# KiCad board Registers.kicad_pcb
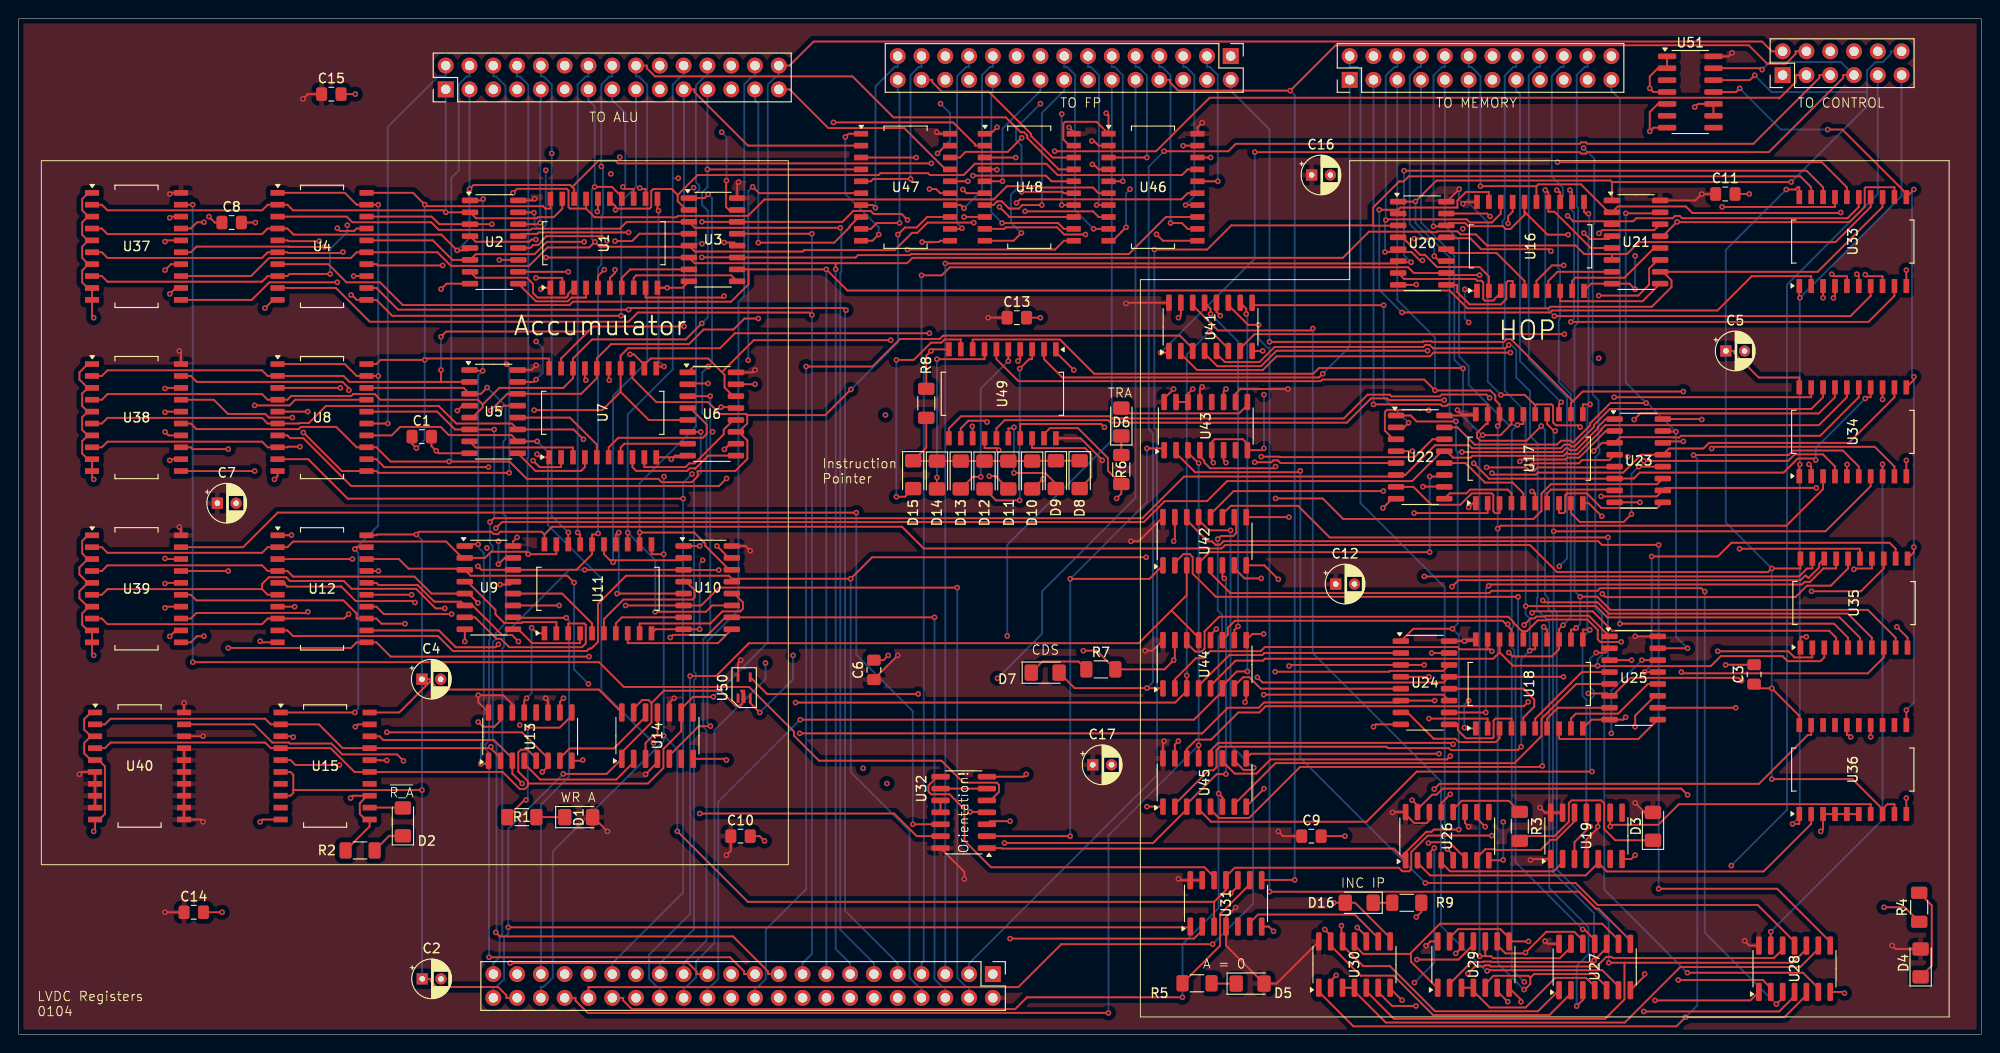
[diagram p0: board, top side]
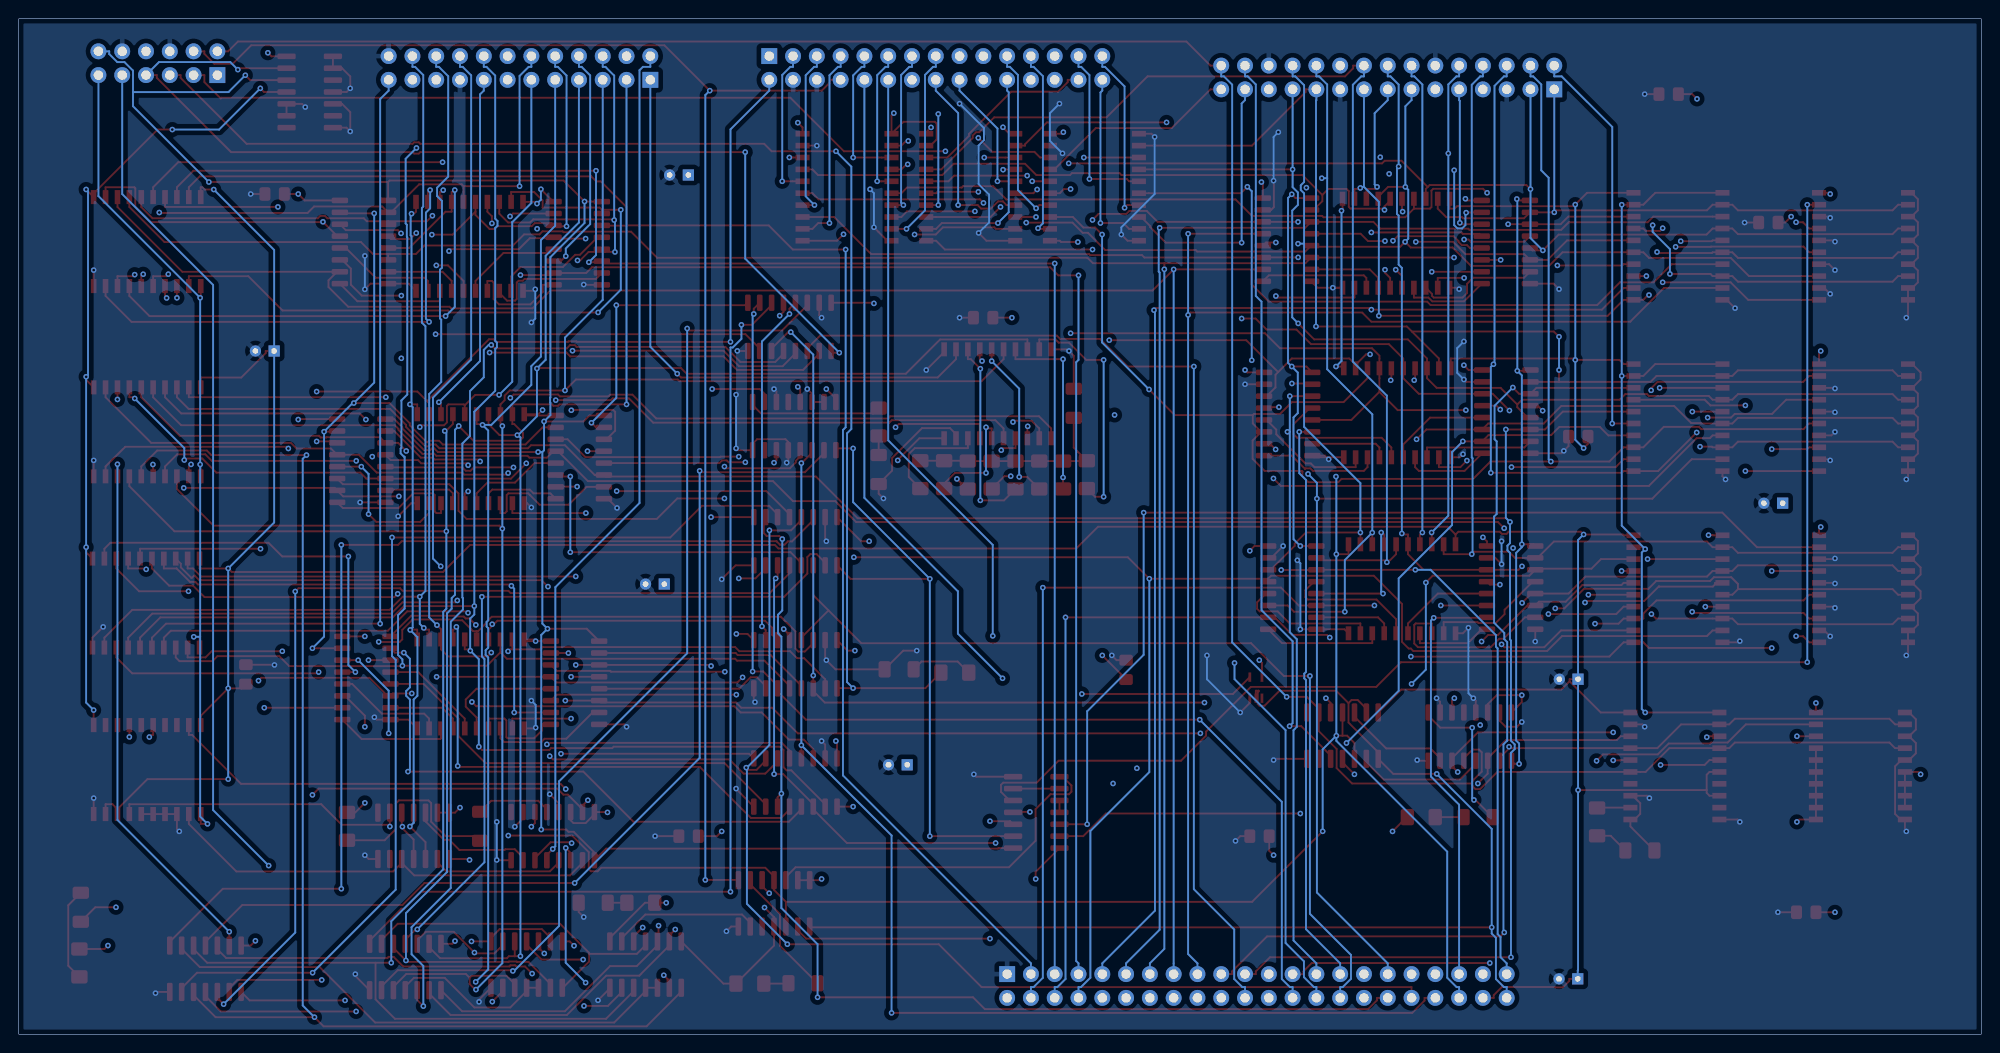
[diagram p1: board, bottom side, seen from below]

Outline 209.55 x 108.46 mm; copper layers: Top, In1.Cu, In2.Cu, Bottom. Coordinates in mm from the lower left corner of the outline.
Outline path: rectangle 0,108.46 209.55,0
Stack: Top 0.035mm / dielectric 0.1mm FR4 er 4.5 / In1.Cu 0.035mm / dielectric 1.24mm FR4 er 4.5 / In2.Cu 0.035mm / dielectric 0.1mm FR4 er 4.5 / Bottom 0.035mm

## Placement (name value [footprint] x y rotation side)
C1  100nF  [C_0805_2012Metric_Pad1.18x1.45mm_HandSolder]  43.03 63.83 0 top
C2  10µF  [CP_Radial_D4.0mm_P2.00mm]  43.09 5.92 0 top
C3  100nF  [C_0805_2012Metric_Pad1.18x1.45mm_HandSolder]  185.29 38.43 90 top
C4  10µF  [CP_Radial_D4.0mm_P2.00mm]  43.05 37.92 0 top
C5  10µF  [CP_Radial_D4.0mm_P2.00mm]  182.28 72.97 0 top
C6  100nF  [C_0805_2012Metric_Pad1.18x1.45mm_HandSolder]  91.31 38.92 90 top
C7  10µF  [CP_Radial_D4.0mm_P2.00mm]  21.21 56.72 0 top
C8  100nF  [C_0805_2012Metric_Pad1.18x1.45mm_HandSolder]  22.73 86.69 0 top
C9  100nF  [C_0805_2012Metric_Pad1.18x1.45mm_HandSolder]  138.03 21.16 0 top
C10  100nF  [C_0805_2012Metric_Pad1.18x1.45mm_HandSolder]  77.07 21.16 0 top
C11  100nF  [C_0805_2012Metric_Pad1.18x1.45mm_HandSolder]  182.22 89.74 0 top
C12  10µF  [CP_Radial_D4.0mm_P2.00mm]  140.62 48.08 0 top
C13  100nF  [C_0805_2012Metric_Pad1.18x1.45mm_HandSolder]  106.57 76.53 0 top
C14  100nF  [C_0805_2012Metric_Pad1.18x1.45mm_HandSolder]  18.69 13.03 0 top
C15  100nF  [C_0805_2012Metric_Pad1.18x1.45mm_HandSolder]  33.38 100.41 0 top
C16  10µF  [CP_Radial_D4.0mm_P2.00mm]  138.05 91.77 0 top
C17  10µF  [CP_Radial_D4.0mm_P2.00mm]  114.68 28.78 0 top
D1  LED  [LED_1206_3216Metric_Pad1.42x1.75mm_HandSolder]  59.79 23.19 0 top
D2  LED  [LED_1206_3216Metric_Pad1.42x1.75mm_HandSolder]  41.02 22.68 90 top
D3  LED  [LED_1206_3216Metric_Pad1.42x1.75mm_HandSolder]  174.5 22.21 90 top
D4  LED  [LED_1206_3216Metric_Pad1.42x1.75mm_HandSolder]  203.07 7.62 90 top
D5  LED  [LED_1206_3216Metric_Pad1.42x1.75mm_HandSolder]  131.48 5.41 0 top
D6  LED  [LED_1206_3216Metric_Pad1.42x1.75mm_HandSolder]  117.73 65.39 90 top
D7  LED  [LED_1206_3216Metric_Pad1.42x1.75mm_HandSolder]  109.6 38.62 0 top
D8  LED  [LED_1206_3216Metric_Pad1.42x1.75mm_HandSolder]  113.28 59.77 270 top
D9  LED  [LED_1206_3216Metric_Pad1.42x1.75mm_HandSolder]  110.74 59.77 270 top
D10  LED  [LED_1206_3216Metric_Pad1.42x1.75mm_HandSolder]  108.2 59.73 270 top
D11  LED  [LED_1206_3216Metric_Pad1.42x1.75mm_HandSolder]  105.66 59.73 270 top
D12  LED  [LED_1206_3216Metric_Pad1.42x1.75mm_HandSolder]  103.12 59.73 270 top
D13  LED  [LED_1206_3216Metric_Pad1.42x1.75mm_HandSolder]  100.58 59.73 270 top
D14  LED  [LED_1206_3216Metric_Pad1.42x1.75mm_HandSolder]  98.04 59.73 270 top
D15  LED  [LED_1206_3216Metric_Pad1.42x1.75mm_HandSolder]  95.5 59.77 270 top
D16  LED  [LED_1206_3216Metric_Pad1.42x1.75mm_HandSolder]  143.13 14.05 180 top
J1  TO_BACKPLANE  [PinHeader_2x22_P2.54mm_Vertical]  104.01 6.43 270 top
J2  ACCUMULATOR_OUT  [PinHeader_2x15_P2.54mm_Vertical]  45.59 100.91 90 top
J3  FROM_CTRL  [PinHeader_2x06_P2.54mm_Vertical]  188.34 102.44 90 top
J4  TO_MEMORY  [PinHeader_2x12_P2.54mm_Vertical]  142.11 101.93 90 top
J5  TO_FP  [PinHeader_2x15_P2.54mm_Vertical]  129.41 104.47 270 top
R1  1K  [R_1206_3216Metric_Pad1.30x1.75mm_HandSolder]  53.72 23.19 0 top
R2  1K  [R_1206_3216Metric_Pad1.30x1.75mm_HandSolder]  36.45 19.63 0 top
R3  1K  [R_1206_3216Metric_Pad1.30x1.75mm_HandSolder]  160.27 22.21 270 top
R4  1K  [R_1206_3216Metric_Pad1.30x1.75mm_HandSolder]  202.92 13.56 90 top
R5  1K  [R_1206_3216Metric_Pad1.30x1.75mm_HandSolder]  125.81 5.45 0 top
R6  1K  [R_1206_3216Metric_Pad1.30x1.75mm_HandSolder]  117.73 60.31 90 top
R7  4.7K  [R_1206_3216Metric_Pad1.30x1.75mm_HandSolder]  115.54 38.97 0 top
R8  1K  [R_1206_3216Metric_Pad1.30x1.75mm_HandSolder]  96.9 67.39 270 top
R9  4.7K  [R_1206_3216Metric_Pad1.30x1.75mm_HandSolder]  148.21 14.05 180 top
U1  74HC574  [SO-20_12.8x7.5mm_P1.27mm]  62.48 84.48 90 top
U2  74HCT157  [SO-16_3.9x9.9mm_P1.27mm]  50.76 84.61 0 top
U3  74HCT157  [SO-16_3.9x9.9mm_P1.27mm]  74.13 84.86 0 top
U4  74HC244  [SO-20_12.8x7.5mm_P1.27mm]  32.38 84.15 0 top
U5  74HCT157  [SO-16_3.9x9.9mm_P1.27mm]  50.71 66.5 0 top
U6  74HCT157  [SO-16_3.9x9.9mm_P1.27mm]  74.01 66.24 0 top
U7  74HC574  [SO-20_12.8x7.5mm_P1.27mm]  62.36 66.37 90 top
U8  74HC244  [SO-20_12.8x7.5mm_P1.27mm]  32.38 65.86 0 top
U9  74HCT157  [SO-16_3.9x9.9mm_P1.27mm]  50.2 47.7 0 top
U10  74HCT157  [SO-16_3.9x9.9mm_P1.27mm]  73.57 47.7 0 top
U11  74HC574  [SO-20_12.8x7.5mm_P1.27mm]  61.85 47.57 90 top
U12  74HC244  [SO-20_12.8x7.5mm_P1.27mm]  32.38 47.57 0 top
U13  74HCT157  [SO-16_3.9x9.9mm_P1.27mm]  54.61 31.79 90 top
U14  74HC74  [SO-14_3.9x8.65mm_P1.27mm]  68.2 31.89 90 top
U15  74HC244  [SO-20_12.8x7.5mm_P1.27mm]  32.71 28.65 0 top
U16  74HC574  [SO-20_12.8x7.5mm_P1.27mm]  161.42 84.15 90 top
U17  74HC574  [SO-20_12.8x7.5mm_P1.27mm]  161.29 61.47 90 top
U18  74HC574  [SO-20_12.8x7.5mm_P1.27mm]  161.29 37.41 90 top
U19  74HC74  [SO-14_3.9x8.65mm_P1.27mm]  167.39 21.19 90 top
U20  74HCT157  [SO-16_3.9x9.9mm_P1.27mm]  149.86 84.48 0 top
U21  74HCT157  [SO-16_3.9x9.9mm_P1.27mm]  172.69 84.61 0 top
U22  74HCT157  [SO-16_3.9x9.9mm_P1.27mm]  149.64 61.64 0 top
U23  74HCT157  [SO-16_3.9x9.9mm_P1.27mm]  172.97 61.26 0 top
U24  74HCT157  [SO-16_3.9x9.9mm_P1.27mm]  150.15 37.54 0 top
U25  74HCT157  [SO-16_3.9x9.9mm_P1.27mm]  172.43 38.05 0 top
U26  74HCT157  [SO-16_3.9x9.9mm_P1.27mm]  152.53 21.16 90 top
U27  74HC86  [SO-14_3.9x8.65mm_P1.27mm]  168.28 7.19 90 top
U28  74HC86  [SO-14_3.9x8.65mm_P1.27mm]  189.61 7 90 top
U29  74HC08  [SO-14_3.9x8.65mm_P1.27mm]  155.32 7.44 90 top
U30  74HC08  [SO-14_3.9x8.65mm_P1.27mm]  142.62 7.44 90 top
U31  74HC74  [SO-14_3.9x8.65mm_P1.27mm]  128.91 13.98 90 top
U32  74HCT32  [SO-14_3.9x8.65mm_P1.27mm]  100.9 23.7 180 top
U33  74HC574  [SO-20_12.8x7.5mm_P1.27mm]  195.83 84.66 90 top
U34  74HC574  [SO-20_12.8x7.5mm_P1.27mm]  195.83 64.34 90 top
U35  74HC574  [SO-20_12.8x7.5mm_P1.27mm]  195.96 46.05 90 top
U36  74HC574  [SO-20_12.8x7.5mm_P1.27mm]  195.83 28.27 90 top
U37  74HC688  [SO-20_12.8x7.5mm_P1.27mm]  12.57 84.15 0 top
U38  74HC688  [SO-20_12.8x7.5mm_P1.27mm]  12.57 65.86 0 top
U39  74HC688  [SO-20_12.8x7.5mm_P1.27mm]  12.57 47.57 0 top
U40  74HC688  [SO-20_12.8x7.5mm_P1.27mm]  12.9 28.65 0 top
U41  74HCT157  [SO-16_3.9x9.9mm_P1.27mm]  127.25 75.55 90 top
U42  74HCT157  [SO-16_3.9x9.9mm_P1.27mm]  126.62 52.65 90 top
U43  74HCT157  [SO-16_3.9x9.9mm_P1.27mm]  126.75 64.95 90 top
U44  74HCT157  [SO-16_3.9x9.9mm_P1.27mm]  126.62 39.52 90 top
U45  74HCT157  [SO-16_3.9x9.9mm_P1.27mm]  126.62 26.89 90 top
U46  74HC244  [SO-20_12.8x7.5mm_P1.27mm]  121.11 90.46 0 top
U47  74HC244  [SO-20_12.8x7.5mm_P1.27mm]  94.69 90.46 0 top
U48  74HC244  [SO-20_12.8x7.5mm_P1.27mm]  107.9 90.46 0 top
U49  74HC244  [SO-20_12.8x7.5mm_P1.27mm]  105.03 68.4 270 top
U50  74AHC1G04  [SOIC-6]  77.46 37.02 0 top
U51  74HCT32  [SO-14_3.9x8.65mm_P1.27mm]  178.48 100.63 0 top

## Library data of the parts
C1 C3 C6 C8-C11 C13-C15 = -: ki_fp_filters: C_*
C2 C4 C5 C7 C12 C16 C17 = -: Description: Polarized capacitor; ki_fp_filters: CP_*
D1-D16 = -: ki_fp_filters: LED* LED_SMD:* LED_THT:*
J1 = -: Description: Generic connector, double row, 02x22, odd/even pin numbering scheme (row 1 odd numbers, row 2 even numbers), script generated (kicad-library-utils/schlib/autogen/connector/); VerilogModulePort: 3, 4, 5, 6, 7, 8, 9, 10, 11, 12, 13, 14, 15, 16, 17, 18, 19, 20, 21, 22, 23, 24, 25, 26, 27, 28, 29, 30, 31, 32, 33, 34, 35, 36, 37, 38, 39, 40, 41, 43, 44; ki_fp_filters: Connector*:*_2x??_*
J2 = -: Description: Generic connector, double row, 02x15, odd/even pin numbering scheme (row 1 odd numbers, row 2 even numbers), script generated (kicad-library-utils/schlib/autogen/connector/); VerilogModulePort: 1, 2, 3, 4, 6, 7, 8, 9, 10, 11, 13, 14, 15, 16, 17, 18, 20, 21, 22, 23, 24, 25, 27, 28, 29, 30; ki_fp_filters: Connector*:*_2x??_*
J3 = -: Description: Generic connector, double row, 02x06, odd/even pin numbering scheme (row 1 odd numbers, row 2 even numbers), script generated (kicad-library-utils/schlib/autogen/connector/); VerilogModulePort: 1, 2, 3, 4, 5, 6, 7, 8, 9, 10, 11, 12; ki_fp_filters: Connector*:*_2x??_*
J4 = -: Description: Generic connector, double row, 02x12, odd/even pin numbering scheme (row 1 odd numbers, row 2 even numbers), script generated (kicad-library-utils/schlib/autogen/connector/); VerilogModulePort: 1, 2, 3, 4, 5, 6, 7, 8, 9, 10, 11, 12, 13, 14, 15, 16, 18, 19, 20, 21, 22, 23; ki_fp_filters: Connector*:*_2x??_*
J5 = -: Description: Generic connector, double row, 02x15, odd/even pin numbering scheme (row 1 odd numbers, row 2 even numbers), script generated (kicad-library-utils/schlib/autogen/connector/); ki_fp_filters: Connector*:*_2x??_*
R1-R9 = -: VerilogCode: assign _1 = _2;; ki_fp_filters: R_*
U1 = -: Datasheet: 74xx/74hc573.pdf; Description: 8-bit Latch 3-state outputs; VerilogCode: ttl_74hct574 U1(`D, `Q, Load, OE);; ki_fp_filters: DIP?20*
U2 = -: Datasheet: http://www.ti.com/lit/gpn/sn74LS157; Description: Quad 2 to 1 line Multiplexer; VerilogCode: ttl_74hct157 U2({I1d, I0d}, {I1c, I0c}, {I1b, I0b}, {I1a, I0a}, S, E, {Zd, Zc, Zb, Za});; ki_fp_filters: DIP?16*
U3 = -: Datasheet: http://www.ti.com/lit/gpn/sn74LS157; Description: Quad 2 to 1 line Multiplexer; VerilogCode: ttl_74hct157 U3({I1d, I0d}, {I1c, I0c}, {I1b, I0b}, {I1a, I0a}, S, E, {Zd, Zc, Zb, Za});; ki_fp_filters: DIP?16*
U4 = -: Datasheet: https://assets.nexperia.com/documents/data-sheet/74HC_HCT244.pdf; Description: 8-bit Buffer/Line Driver 3-state; VerilogCode: ttl_74hc244 U4(`_1A, `_2A, `_1Y, `_2Y, _1OE, _2OE);; ki_fp_filters: TSSOP*4.4x6.5mm*P0.65mm* SSOP*4.4x6.5mm*P0.65mm*
U5 = -: Datasheet: http://www.ti.com/lit/gpn/sn74LS157; Description: Quad 2 to 1 line Multiplexer; VerilogCode: ttl_74hct157 U5({I1d, I0d}, {I1c, I0c}, {I1b, I0b}, {I1a, I0a}, S, E, {Zd, Zc, Zb, Za});; ki_fp_filters: DIP?16*
U6 = -: Datasheet: http://www.ti.com/lit/gpn/sn74LS157; Description: Quad 2 to 1 line Multiplexer; VerilogCode: ttl_74hct157 U6({I1d, I0d}, {I1c, I0c}, {I1b, I0b}, {I1a, I0a}, S, E, {Zd, Zc, Zb, Za});; ki_fp_filters: DIP?16*
U7 = -: Datasheet: 74xx/74hc573.pdf; Description: 8-bit Latch 3-state outputs; VerilogCode: ttl_74hct574 U7(`D, `Q, Load, OE);; ki_fp_filters: DIP?20*
U8 = -: Datasheet: https://assets.nexperia.com/documents/data-sheet/74HC_HCT244.pdf; Description: 8-bit Buffer/Line Driver 3-state; VerilogCode: ttl_74hc244 U8(`_1A, `_2A, `_1Y, `_2Y, _1OE, _2OE);; ki_fp_filters: TSSOP*4.4x6.5mm*P0.65mm* SSOP*4.4x6.5mm*P0.65mm*
U9 = -: Datasheet: http://www.ti.com/lit/gpn/sn74LS157; Description: Quad 2 to 1 line Multiplexer; VerilogCode: ttl_74hct157 U9({I1d, I0d}, {I1c, I0c}, {I1b, I0b}, {I1a, I0a}, S, E, {Zd, Zc, Zb, Za});; ki_fp_filters: DIP?16*
U10 = -: Datasheet: http://www.ti.com/lit/gpn/sn74LS157; Description: Quad 2 to 1 line Multiplexer; VerilogCode: ttl_74hct157 U10({I1d, I0d}, {I1c, I0c}, {I1b, I0b}, {I1a, I0a}, S, E, {Zd, Zc, Zb, Za});; ki_fp_filters: DIP?16*
U11 = -: Datasheet: 74xx/74hc573.pdf; Description: 8-bit Latch 3-state outputs; VerilogCode: ttl_74hct574 U11(`D, `Q, Load, OE);; ki_fp_filters: DIP?20*
U12 = -: Datasheet: https://assets.nexperia.com/documents/data-sheet/74HC_HCT244.pdf; Description: 8-bit Buffer/Line Driver 3-state; VerilogCode: ttl_74hc244 U12(`_1A, `_2A, `_1Y, `_2Y, _1OE, _2OE);; ki_fp_filters: TSSOP*4.4x6.5mm*P0.65mm* SSOP*4.4x6.5mm*P0.65mm*
U13 = -: Datasheet: http://www.ti.com/lit/gpn/sn74LS157; Description: Quad 2 to 1 line Multiplexer; VerilogCode: ttl_74hct157 U13({I1d, I0d}, {I1c, I0c}, {I1b, I0b}, {I1a, I0a}, S, E, {Zd, Zc, Zb, Za});; ki_fp_filters: DIP?16*
U14 = -: Datasheet: 74xx/74hc_hct74.pdf; Description: Dual D Flip-flop, Set & Reset; VerilogCode: ttl_74hc74 U14(D_2, C_3, nS_4, nR_1, Q_5, nQ_6, D_12, C_11, nS_10, nR_13, Q_9, nQ_8);; ki_fp_filters: DIP*W7.62mm*
U15 = -: Datasheet: https://assets.nexperia.com/documents/data-sheet/74HC_HCT244.pdf; Description: 8-bit Buffer/Line Driver 3-state; VerilogCode: ttl_74hc244 U15(`_1A, `_2A, `_1Y, `_2Y, _1OE, _2OE);; ki_fp_filters: TSSOP*4.4x6.5mm*P0.65mm* SSOP*4.4x6.5mm*P0.65mm*
U16 = -: Datasheet: 74xx/74hc573.pdf; Description: 8-bit Latch 3-state outputs; VerilogCode: ttl_74hct574 U16(`D, `Q, Load, OE);; ki_fp_filters: DIP?20*
U17 = -: Datasheet: 74xx/74hc573.pdf; Description: 8-bit Latch 3-state outputs; VerilogCode: ttl_74hct574 U17(`D, `Q, Load, OE);; ki_fp_filters: DIP?20*
U18 = -: Datasheet: 74xx/74hc573.pdf; Description: 8-bit Latch 3-state outputs; VerilogCode: ttl_74hct574 U18(`D, `Q, Load, OE);; ki_fp_filters: DIP?20*
U19 = -: Datasheet: 74xx/74hc_hct74.pdf; Description: Dual D Flip-flop, Set & Reset; VerilogCode: ttl_74hc74 U19(D_2, C_3, nS_4, nR_1, Q_5, nQ_6, D_12, C_11, nS_10, nR_13, Q_9, nQ_8);; ki_fp_filters: DIP*W7.62mm*
U20 = -: Datasheet: http://www.ti.com/lit/gpn/sn74LS157; Description: Quad 2 to 1 line Multiplexer; VerilogCode: ttl_74hct157 U20({I1d, I0d}, {I1c, I0c}, {I1b, I0b}, {I1a, I0a}, S, E, {Zd, Zc, Zb, Za});; ki_fp_filters: DIP?16*
U21 = -: Datasheet: http://www.ti.com/lit/gpn/sn74LS157; Description: Quad 2 to 1 line Multiplexer; VerilogCode: ttl_74hct157 U21({I1d, I0d}, {I1c, I0c}, {I1b, I0b}, {I1a, I0a}, S, E, {Zd, Zc, Zb, Za});; ki_fp_filters: DIP?16*
U22 = -: Datasheet: http://www.ti.com/lit/gpn/sn74LS157; Description: Quad 2 to 1 line Multiplexer; VerilogCode: ttl_74hct157 U22({I1d, I0d}, {I1c, I0c}, {I1b, I0b}, {I1a, I0a}, S, E, {Zd, Zc, Zb, Za});; ki_fp_filters: DIP?16*
U23 = -: Datasheet: http://www.ti.com/lit/gpn/sn74LS157; Description: Quad 2 to 1 line Multiplexer; VerilogCode: ttl_74hct157 U23({I1d, I0d}, {I1c, I0c}, {I1b, I0b}, {I1a, I0a}, S, E, {Zd, Zc, Zb, Za});; ki_fp_filters: DIP?16*
U24 = -: Datasheet: http://www.ti.com/lit/gpn/sn74LS157; Description: Quad 2 to 1 line Multiplexer; VerilogCode: ttl_74hct157 U24({I1d, I0d}, {I1c, I0c}, {I1b, I0b}, {I1a, I0a}, S, E, {Zd, Zc, Zb, Za});; ki_fp_filters: DIP?16*
U25 = -: Datasheet: http://www.ti.com/lit/gpn/sn74LS157; Description: Quad 2 to 1 line Multiplexer; VerilogCode: ttl_74hct157 U25({I1d, I0d}, {I1c, I0c}, {I1b, I0b}, {I1a, I0a}, S, E, {Zd, Zc, Zb, Za});; ki_fp_filters: DIP?16*
U26 = -: Datasheet: http://www.ti.com/lit/gpn/sn74LS157; Description: Quad 2 to 1 line Multiplexer; VerilogCode: ttl_74hct157 U26({I1d, I0d}, {I1c, I0c}, {I1b, I0b}, {I1a, I0a}, S, E, {Zd, Zc, Zb, Za});; ki_fp_filters: DIP?16*
U27 = -: Datasheet: http://www.ti.com/lit/gpn/sn74HC86; Description: Quad 2-input XOR; VerilogCode: ttl_74hct86 U27(_1, _2, _3, _4, _5, _6, _9, _10, _8, _12, _13, _11);; ki_fp_filters: DIP*W7.62mm*
U28 = -: Datasheet: http://www.ti.com/lit/gpn/sn74HC86; Description: Quad 2-input XOR; VerilogCode: ttl_74hct86 U28(_1, _2, _3, _4, _5, _6, _9, _10, _8, _12, _13, _11);; ki_fp_filters: DIP*W7.62mm*
U29 = -: Datasheet: http://www.ti.com/lit/gpn/sn74LS08; Description: Quad And2; VerilogCode: ttl_74hct08 U29(_1, _2, _3, _4, _5, _6, _9, _10, _8, _12, _13, _11);; ki_fp_filters: DIP*W7.62mm*
U30 = -: Datasheet: http://www.ti.com/lit/gpn/sn74LS08; Description: Quad And2; VerilogCode: ttl_74hct08 U30(_1, _2, _3, _4, _5, _6, _9, _10, _8, _12, _13, _11);; ki_fp_filters: DIP*W7.62mm*
U31 = -: Datasheet: 74xx/74hc_hct74.pdf; Description: Dual D Flip-flop, Set & Reset; VerilogCode: ttl_74hc74 U31(D_2, C_3, nS_4, nR_1, Q_5, nQ_6, D_12, C_11, nS_10, nR_13, Q_9, nQ_8);; ki_fp_filters: DIP*W7.62mm*
U32 = -: Datasheet: http://www.ti.com/lit/gpn/sn74LS32; Description: Quad 2-input OR; VerilogCode: ttl_74hct32 U32(_1, _2, _3, _4, _5, _6, _9, _10, _8, _12, _13, _11);; ki_fp_filters: DIP?14*
U33 = -: Datasheet: 74xx/74hc573.pdf; Description: 8-bit Latch 3-state outputs; VerilogCode: ttl_74hct574 U33(`D, `Q, Load, OE);; ki_fp_filters: DIP?20*
U34 = -: Datasheet: 74xx/74hc573.pdf; Description: 8-bit Latch 3-state outputs; VerilogCode: ttl_74hct574 U34(`D, `Q, Load, OE);; ki_fp_filters: DIP?20*
U35 = -: Datasheet: 74xx/74hc573.pdf; Description: 8-bit Latch 3-state outputs; VerilogCode: ttl_74hct574 U35(`D, `Q, Load, OE);; ki_fp_filters: DIP?20*
U36 = -: Datasheet: 74xx/74hc573.pdf; Description: 8-bit Latch 3-state outputs; VerilogCode: ttl_74hct574 U36(`D, `Q, Load, OE);; ki_fp_filters: DIP?20*
U37 = -: Datasheet: https://www.ti.com/lit/ds/symlink/cd54hc688.pdf; Description: 8-bit magnitude comparator; VerilogCode: ttl_74hc688 U37(`P, `R, G, Px3dR);; ki_fp_filters: DIP?20* SOIC?20* SO?20* TSSOP?20*
U38 = -: Datasheet: https://www.ti.com/lit/ds/symlink/cd54hc688.pdf; Description: 8-bit magnitude comparator; VerilogCode: ttl_74hc688 U38(`P, `R, G, Px3dR);; ki_fp_filters: DIP?20* SOIC?20* SO?20* TSSOP?20*
U39 = -: Datasheet: https://www.ti.com/lit/ds/symlink/cd54hc688.pdf; Description: 8-bit magnitude comparator; VerilogCode: ttl_74hc688 U39(`P, `R, G, Px3dR);; ki_fp_filters: DIP?20* SOIC?20* SO?20* TSSOP?20*
U40 = -: Datasheet: https://www.ti.com/lit/ds/symlink/cd54hc688.pdf; Description: 8-bit magnitude comparator; VerilogCode: ttl_74hc688 U40(`P, `R, G, Px3dR);; ki_fp_filters: DIP?20* SOIC?20* SO?20* TSSOP?20*
U41 = -: Datasheet: http://www.ti.com/lit/gpn/sn74LS157; Description: Quad 2 to 1 line Multiplexer; VerilogCode: ttl_74hct157 U41({I1d, I0d}, {I1c, I0c}, {I1b, I0b}, {I1a, I0a}, S, E, {Zd, Zc, Zb, Za});; ki_fp_filters: DIP?16*
U42 = -: Datasheet: http://www.ti.com/lit/gpn/sn74LS157; Description: Quad 2 to 1 line Multiplexer; VerilogCode: ttl_74hct157 U42({I1d, I0d}, {I1c, I0c}, {I1b, I0b}, {I1a, I0a}, S, E, {Zd, Zc, Zb, Za});; ki_fp_filters: DIP?16*
U43 = -: Datasheet: http://www.ti.com/lit/gpn/sn74LS157; Description: Quad 2 to 1 line Multiplexer; VerilogCode: ttl_74hct157 U43({I1d, I0d}, {I1c, I0c}, {I1b, I0b}, {I1a, I0a}, S, E, {Zd, Zc, Zb, Za});; ki_fp_filters: DIP?16*
U44 = -: Datasheet: http://www.ti.com/lit/gpn/sn74LS157; Description: Quad 2 to 1 line Multiplexer; VerilogCode: ttl_74hct157 U44({I1d, I0d}, {I1c, I0c}, {I1b, I0b}, {I1a, I0a}, S, E, {Zd, Zc, Zb, Za});; ki_fp_filters: DIP?16*
U45 = -: Datasheet: http://www.ti.com/lit/gpn/sn74LS157; Description: Quad 2 to 1 line Multiplexer; VerilogCode: ttl_74hct157 U45({I1d, I0d}, {I1c, I0c}, {I1b, I0b}, {I1a, I0a}, S, E, {Zd, Zc, Zb, Za});; ki_fp_filters: DIP?16*
U46 = -: Datasheet: https://assets.nexperia.com/documents/data-sheet/74HC_HCT244.pdf; Description: 8-bit Buffer/Line Driver 3-state; VerilogCode: ttl_74hc244 U46(`_1A, `_2A, `_1Y, `_2Y, _1OE, _2OE);; ki_fp_filters: TSSOP*4.4x6.5mm*P0.65mm* SSOP*4.4x6.5mm*P0.65mm*
U47 = -: Datasheet: https://assets.nexperia.com/documents/data-sheet/74HC_HCT244.pdf; Description: 8-bit Buffer/Line Driver 3-state; VerilogCode: ttl_74hc244 U47(`_1A, `_2A, `_1Y, `_2Y, _1OE, _2OE);; ki_fp_filters: TSSOP*4.4x6.5mm*P0.65mm* SSOP*4.4x6.5mm*P0.65mm*
U48 = -: Datasheet: https://assets.nexperia.com/documents/data-sheet/74HC_HCT244.pdf; Description: 8-bit Buffer/Line Driver 3-state; VerilogCode: ttl_74hc244 U48(`_1A, `_2A, `_1Y, `_2Y, _1OE, _2OE);; ki_fp_filters: TSSOP*4.4x6.5mm*P0.65mm* SSOP*4.4x6.5mm*P0.65mm*
U49 = -: Datasheet: https://assets.nexperia.com/documents/data-sheet/74HC_HCT244.pdf; Description: 8-bit Buffer/Line Driver 3-state; VerilogCode: ttl_74hc244 U49(`_1A, `_2A, `_1Y, `_2Y, _1OE, _2OE);; ki_fp_filters: TSSOP*4.4x6.5mm*P0.65mm* SSOP*4.4x6.5mm*P0.65mm*
U50 = -: Datasheet: http://www.ti.com/lit/sg/scyt129e/scyt129e.pdf; VerilogCode: ttl_74ahc1g04 U50(_2, _4);; ki_fp_filters: SOT* SG-*
U51 = -: Datasheet: http://www.ti.com/lit/gpn/sn74LS32; Description: Quad 2-input OR; VerilogCode: ttl_74hct32 U51(_1, _2, _3, _4, _5, _6, _9, _10, _8, _12, _13, _11);; ki_fp_filters: DIP?14*
